# KiCad board misrc_v2.5-rounded.kicad_pcb
title: MISRC; date: 2025-10-23; rev: 2.5
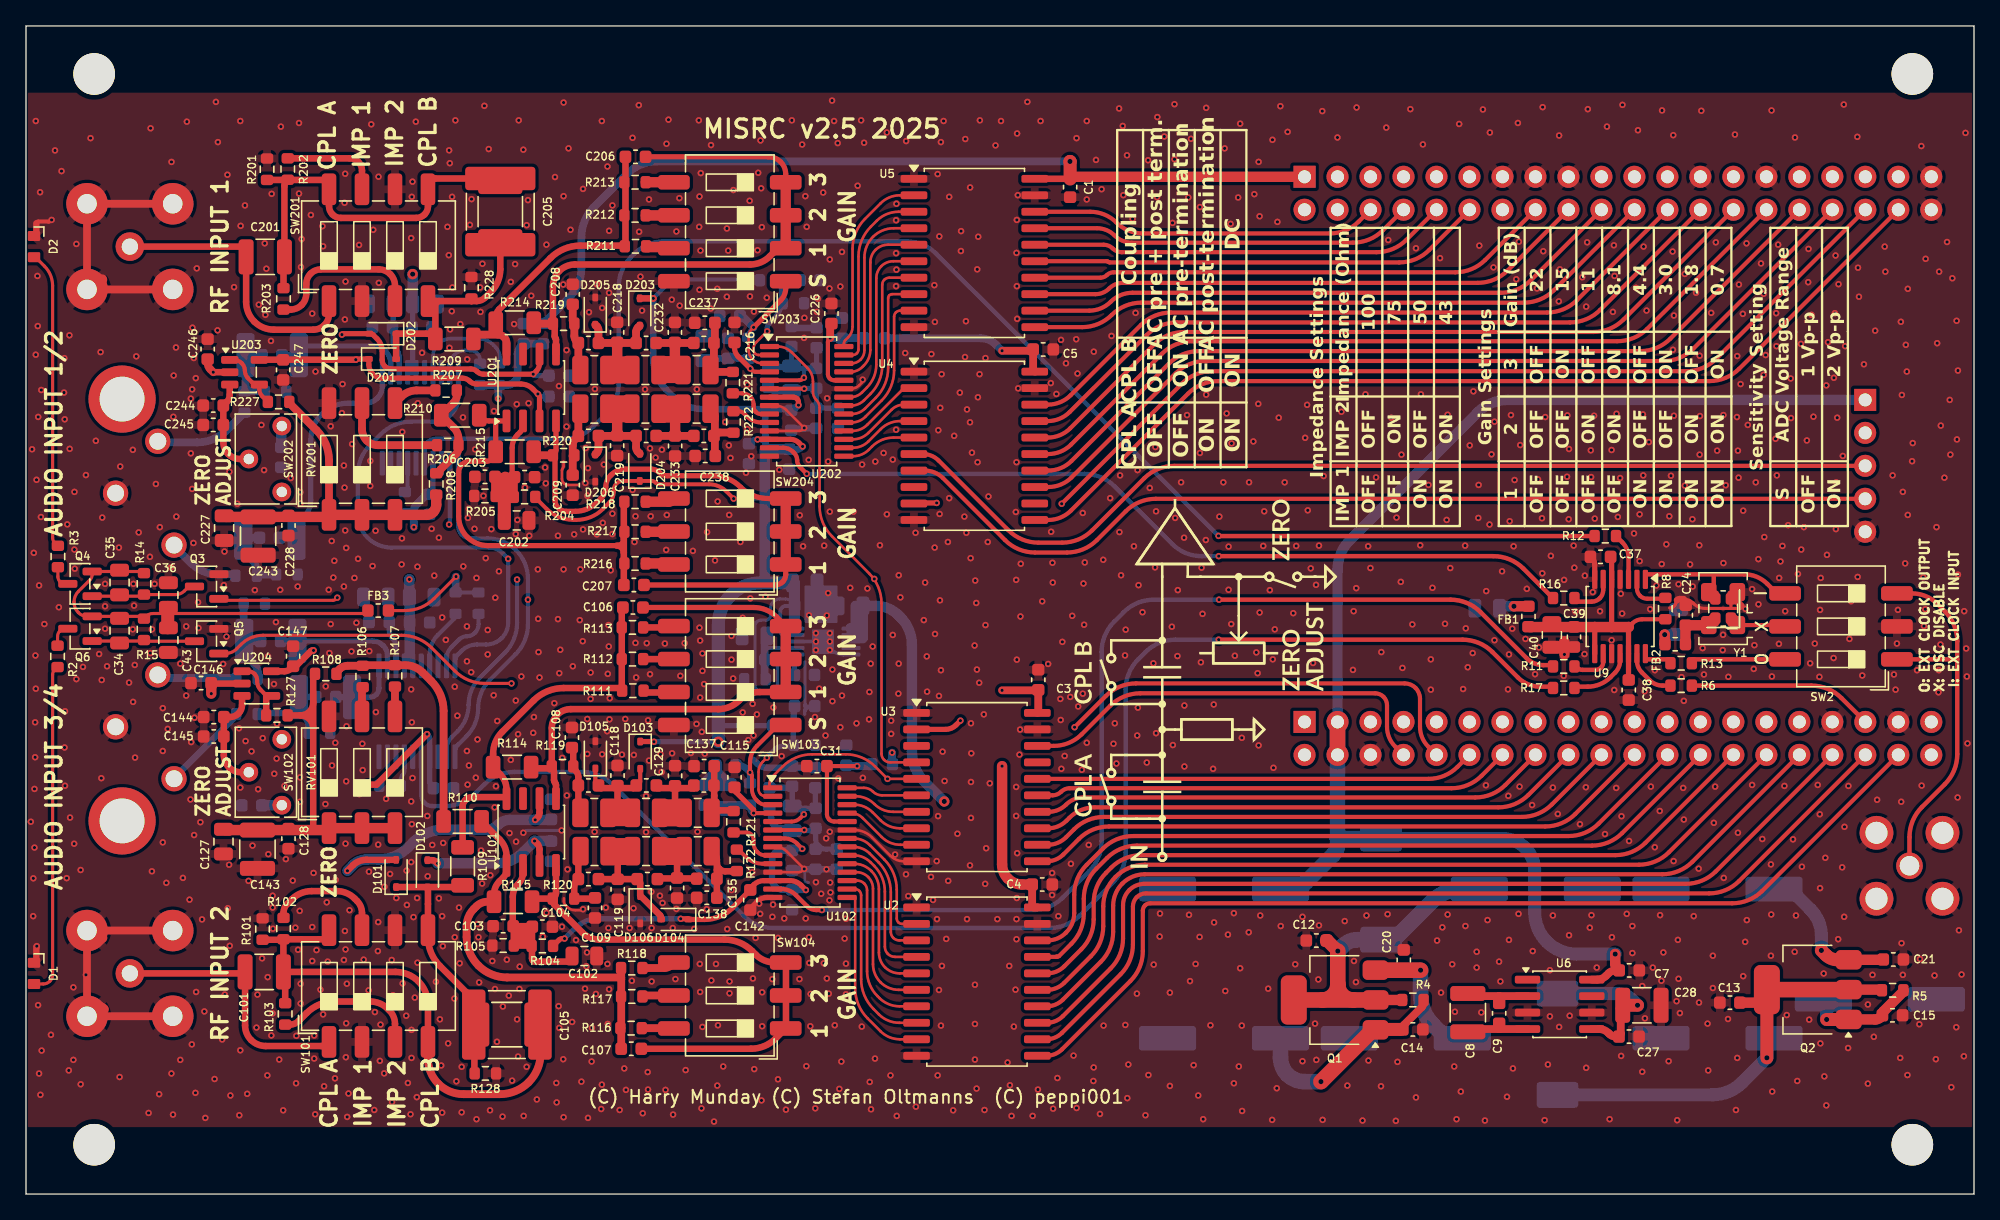
[diagram p0: board, top side]
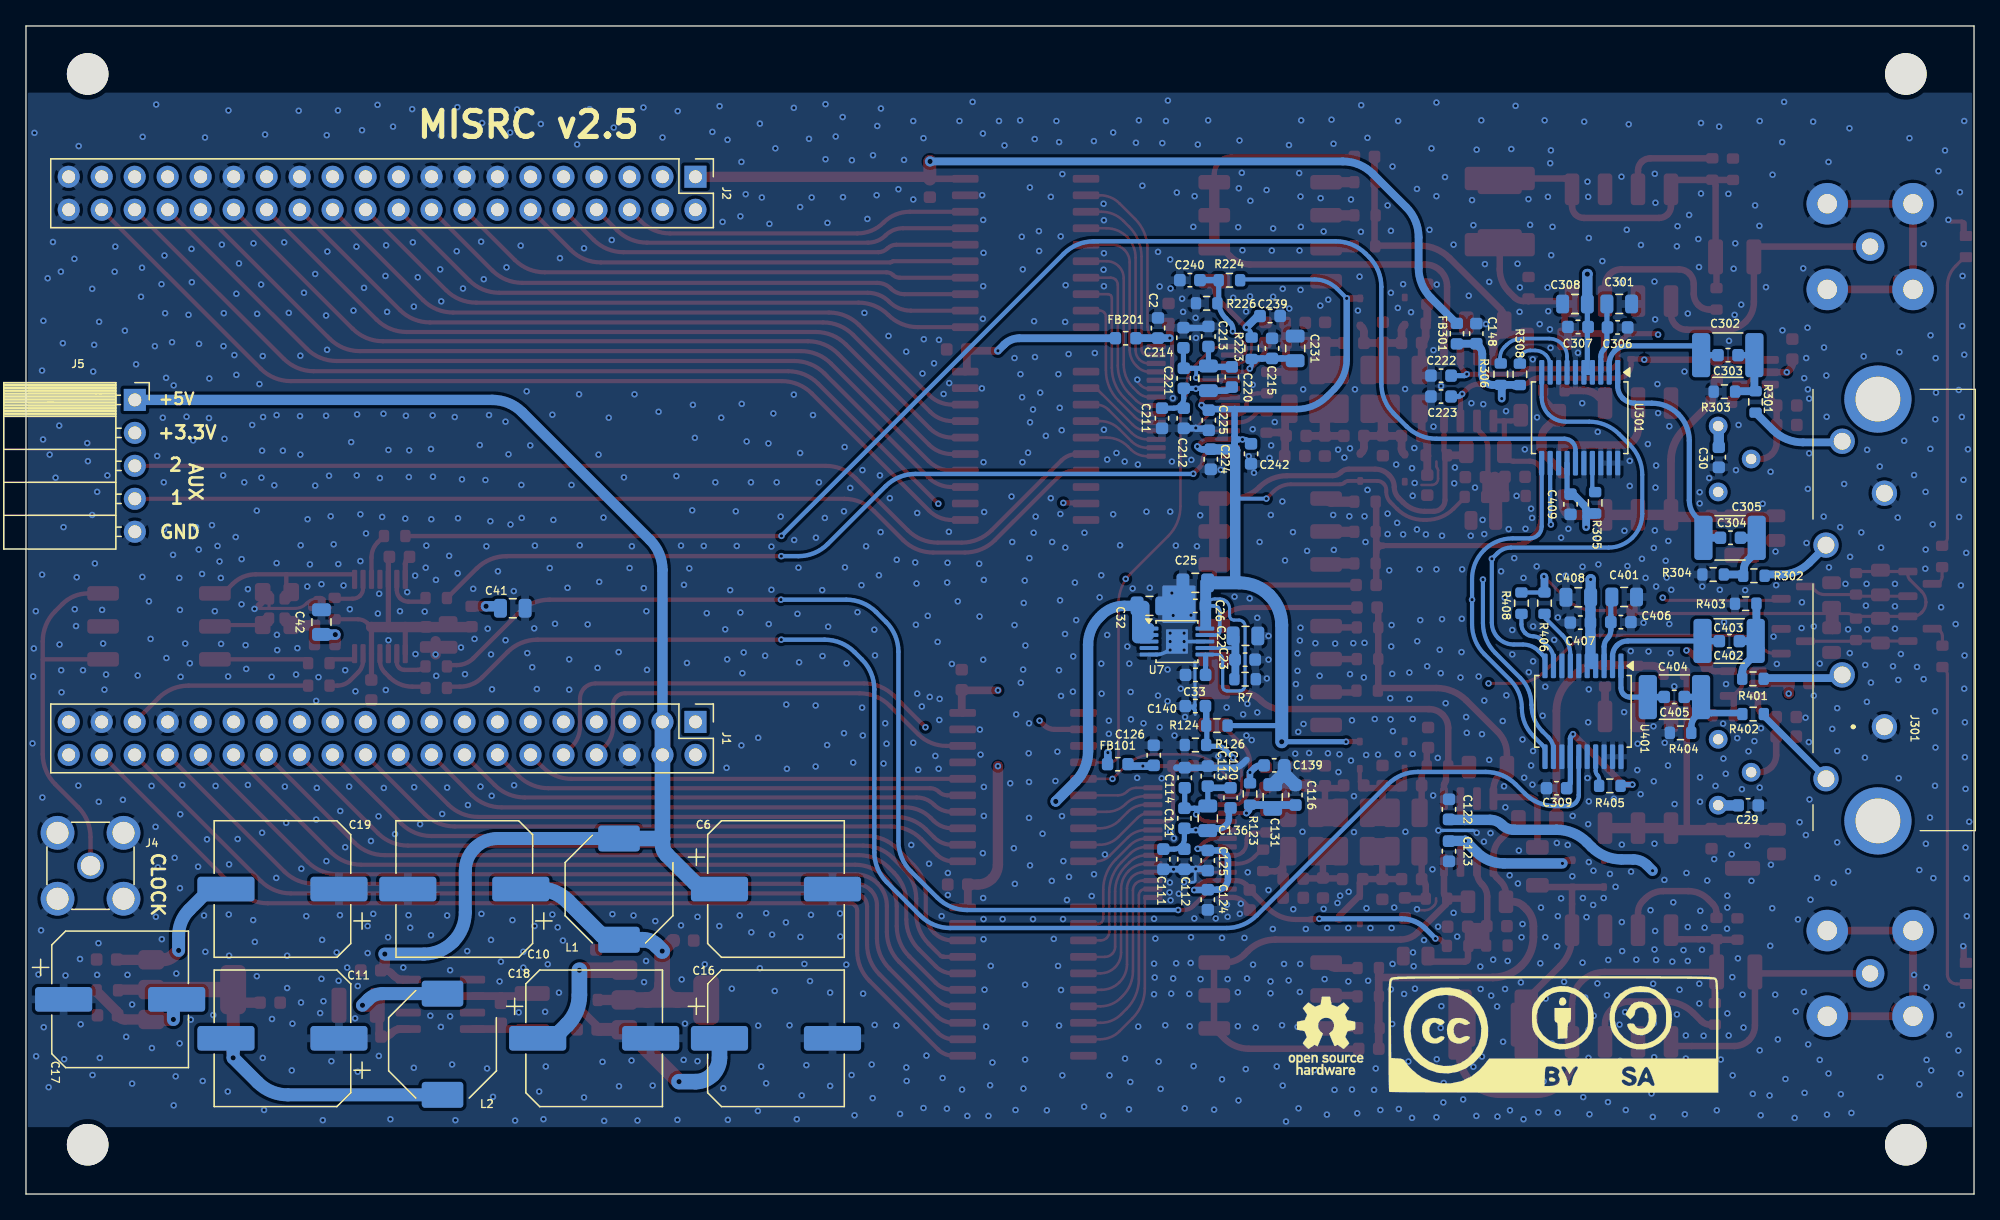
[diagram p1: board, bottom side, seen from below]

Outline 150 x 90 mm; copper layers: Top, In1.Cu, In2.Cu, Bottom. Coordinates in mm from the lower left corner of the outline.
Outline path: 0,90 0,0 150,0 150,90 0,90
Stack: Top 0.035mm / dielectric 0.1mm FR4 er 4.5 / In1.Cu 0.035mm / dielectric 1.24mm FR4 er 4.5 / In2.Cu 0.035mm / dielectric 0.1mm FR4 er 4.5 / Bottom 0.035mm

## Placement (name value [footprint] x y rotation side)
C1  1µ  [C_0603_1608Metric]  80.4 77.58 270 top
C2  1µ  [C_0603_1608Metric]  62.83 66.73 90 bottom
C3  1µ  [C_0603_1608Metric]  77.95 39.62 90 top
C4  1µ  [C_0603_1608Metric]  78.25 23.85 0 top
C5  1µ  [C_0603_1608Metric]  78.33 65.07 0 top
C6  1000µ  [CP_Elec_10x12.6]  92.25 23.5 180 bottom
C7  1µ  [C_0603_1608Metric]  123.45 17.23 0 top
C8  47µ  [C_1210_3225Metric]  111.02 13.98 270 top
C9  100n  [C_0603_1608Metric]  113.44 13.93 270 top
C10  1000µ  [CP_Elec_10x12.6]  116.25 23.5 0 bottom
C11  1000µ  [CP_Elec_10x12.6]  130.25 12 0 bottom
C12  1µ  [C_0603_1608Metric]  99.36 19.53 180 top
C13  1µ  [C_0603_1608Metric]  131.2 14.75 180 top
C14  100n  [C_0603_1608Metric]  106.79 12.68 0 top
C15  100n  [C_0603_1608Metric]  143.72 13.77 0 top
C16  1000µ  [CP_Elec_10x12.6]  92.25 12 180 bottom
C17  1000µ  [CP_Elec_10x12.6]  142.75 15 180 bottom
C18  1000µ  [CP_Elec_10x12.6]  106.25 12 180 bottom
C19  1000µ  [CP_Elec_10x12.6]  130.25 23.5 0 bottom
C20  1µ  [C_0603_1608Metric]  106.09 18.04 90 top
C21  1µ  [C_0603_1608Metric]  143.78 18.07 0 top
C22  10µ  [C_0805_2012Metric]  56.1 43 0 bottom
C23  1n/1  [C_0603_1608Metric]  56.13 41.17 0 bottom
C24  1µ  [C_0603_1608Metric]  127.8 44.6 90 top
C25  10µ  [C_0805_2012Metric]  59.96 47.09 0 bottom
C26  100n  [C_0603_1608Metric]  59.96 45.32 0 bottom
C27  1n/1  [C_0603_1608Metric]  123.44 12.13 180 top
C28  47µ  [C_1210_3225Metric]  124.43 14.54 180 top
C29  1µ  [C_0603_1608Metric]  17.39 29.95 180 bottom
C30  1µ  [C_0603_1608Metric]  19.65 56.77 270 bottom
C31  1µ  [C_0603_1608Metric]  60.9 32.97 180 top
C32  10µ  [C_0805_2012Metric]  63.49 45.32 0 bottom
C33  1n/1  [C_0603_1608Metric]  59.94 40 180 bottom
C34  10µ  [C_0805_2012Metric]  7.21 43.41 270 top
C35  10µ  [C_0805_2012Metric]  7.21 47.12 270 top
C36  10µ  [C_0805_2012Metric]  10.97 46.15 90 top
C37  100n  [C_0603_1608Metric]  121.24 49.1 180 top
C38  100n  [C_0603_1608Metric]  123.41 38.84 270 top
C39  100n  [C_0603_1608Metric]  119.2 42.93 270 top
C40  10µ  [C_0805_2012Metric]  117.49 43.08 270 top
C41  10µ  [C_0805_2012Metric]  112.52 45.14 180 bottom
C42  10µ  [C_0805_2012Metric]  127.25 44.07 90 bottom
C43  10µ  [C_0805_2012Metric]  10.97 42.68 270 top
C101  100µ  [C_1210_3225Metric]  18.35 17.11 0 top
C102  10µ  [C_0805_2012Metric]  43 18.34 0 top
C103  100n  [C_0603_1608Metric]  36.74 20.64 180 top
C104  1n/1  [C_0603_1608Metric]  39.76 20.6 0 top
C105  470n/1  [C_2220_5750Metric]  37.03 13.06 180 top  (not fitted)
C106  1p  [C_0603_1608Metric]  46.74 45.19 0 top  (not fitted)
C107  1p  [C_0603_1608Metric]  46.61 11.19 0 top  (not fitted)
C108  240pF/1  [C_0603_1608Metric]  42.04 35.17 270 top
C109  240pF/1  [C_0603_1608Metric]  43.81 22.05 270 top
C110  15pF/1  [C_0603_1608Metric]  43.31 31.48 0 top
C111  1n/1  [C_0603_1608Metric]  62.42 25.8 90 bottom
C112  100n  [C_0603_1608Metric]  60.8 25.8 90 bottom
C113  100n  [C_0603_1608Metric]  59 32.2 270 bottom
C114  1n/1  [C_0603_1608Metric]  60.78 32.08 270 bottom
C115  100n  [C_0603_1608Metric]  54.56 32.11 90 top
C116  1n/1  [C_0603_1608Metric]  52.25 30.75 90 bottom
C117  15pF/1  [C_0603_1608Metric]  43.31 24.26 0 top
C118  390pF/1  [C_0603_1608Metric]  45.55 32.24 270 top
C119  390pF/1  [C_0603_1608Metric]  45.56 23.48 90 top
C120  100n  [C_0603_1608Metric]  57.25 30.53 90 bottom
C121  1n/1  [C_0603_1608Metric]  60.8 28.95 90 bottom
C122  100n  [C_0603_1608Metric]  40.43 29.64 270 bottom
C123  100n  [C_0603_1608Metric]  40.43 26.42 270 bottom
C124  100n  [C_0603_1608Metric]  59 22.67 270 bottom
C125  100n  [C_0603_1608Metric]  59 25.7 270 bottom
C126  100n  [C_0603_1608Metric]  63.16 33.81 90 bottom
C127  10µ  [C_0805_2012Metric]  15.21 27.15 270 top
C128  1n/1  [C_0603_1608Metric]  20.21 27.38 270 top
C129  68pF/1  [C_0603_1608Metric]  47.77 31.48 0 top
C130  68pF/1  [C_0603_1608Metric]  47.85 24.27 0 top
C131  10µ  [C_0805_2012Metric]  54 30.59 90 bottom
C132  360pF/1  [C_0603_1608Metric]  49.98 32.22 270 top
C133  360pF/1  [C_0603_1608Metric]  50.13 23.58 90 top
C134  51pF/1  [C_0603_1608Metric]  52.2 31.48 0 top
C135  51pF/1  [C_0603_1608Metric]  52.42 24.3 0 top
C136  10µ  [C_0805_2012Metric]  59 28.95 90 bottom
C137  200pF/1  [C_0603_1608Metric]  52.22 32.97 0 top
C138  200pF/1  [C_0603_1608Metric]  52.42 22.83 0 top
C139  100n  [C_0603_1608Metric]  53.89 33.03 180 bottom
C140  100n  [C_0603_1608Metric]  59.96 37.6 0 bottom
C141  940n/1  [C_1812_4532Metric]  37.03 13.06 180 top
C142  100n  [C_0603_1608Metric]  55.77 22.66 270 top
C143  100µ  [C_1210_3225Metric]  17.82 26.57 90 top
C144  1n/1  [C_0603_1608Metric]  14.46 36.75 180 top
C145  1µ  [C_0603_1608Metric]  14.46 35.25 180 top
C146  100n  [C_0603_1608Metric]  13.48 39.37 0 top
C147  100n  [C_0603_1608Metric]  20.57 41.44 90 top
C148  1µ  [C_0603_1608Metric]  38.32 66.29 90 bottom
C201  100µ  [C_1210_3225Metric]  18.43 72.21 0 top
C202  10µ  [C_0805_2012Metric]  37.78 51.9 0 top
C203  100n  [C_0603_1608Metric]  35.34 55.26 180 top
C204  1n/1  [C_0603_1608Metric]  38.39 55.23 0 top
C205  470n/1  [C_2220_5750Metric]  36.52 75.7 270 top  (not fitted)
C206  1p  [C_0603_1608Metric]  46.94 79.92 0 top  (not fitted)
C207  1p  [C_0603_1608Metric]  46.81 46.93 0 top  (not fitted)
C208  240pF/1  [C_0603_1608Metric]  42.1 69.32 270 top
C209  240pF/1  [C_0603_1608Metric]  42.1 54.62 270 top
C210  15pF/1  [C_0603_1608Metric]  43.31 65.57 0 top
C211  1n/1  [C_0603_1608Metric]  62.53 59.78 90 bottom
C212  100n  [C_0603_1608Metric]  60.85 59.78 90 bottom
C213  100n  [C_0603_1608Metric]  58.95 66.08 270 bottom
C214  1n/1  [C_0603_1608Metric]  60.88 65.97 270 bottom
C215  100n  [C_0603_1608Metric]  54.05 65.16 90 bottom
C216  1n/1  [C_0603_1608Metric]  54.56 66.39 90 top
C217  15pF/1  [C_0603_1608Metric]  43.31 58.41 0 top
C218  390pF/1  [C_0603_1608Metric]  45.52 66.39 270 top
C219  390pF/1  [C_0603_1608Metric]  45.52 57.66 90 top
C220  100n  [C_0603_1608Metric]  57.15 62.95 90 bottom
C221  1n/1  [C_0603_1608Metric]  60.85 62.85 90 bottom
C222  100n  [C_0603_1608Metric]  41.04 63.06 180 bottom
C223  100n  [C_0603_1608Metric]  41.04 61.45 0 bottom
C224  100n  [C_0603_1608Metric]  58.77 56.62 270 bottom
C225  100n  [C_0603_1608Metric]  58.92 59.62 270 bottom
C226  100n  [C_0603_1608Metric]  62.02 67.84 90 top
C227  10µ  [C_0805_2012Metric]  15.26 51.31 270 top
C228  1n/1  [C_0603_1608Metric]  20.21 51.51 270 top
C229  68pF/1  [C_0603_1608Metric]  47.75 65.57 0 top
C230  68pF/1  [C_0603_1608Metric]  47.75 58.41 0 top
C231  10µ  [C_0805_2012Metric]  52.27 65.16 90 bottom
C232  360pF/1  [C_0603_1608Metric]  49.97 66.39 270 top
C233  360pF/1  [C_0603_1608Metric]  49.98 57.64 90 top
C234  51pF/1  [C_0603_1608Metric]  52.2 65.57 0 top
C235  51pF/1  [C_0603_1608Metric]  52.2 58.41 0 top
C236  10µ  [C_0805_2012Metric]  58.95 62.85 90 bottom
C237  200pF/1  [C_0603_1608Metric]  52.27 67.13 0 top
C238  200pF/1  [C_0603_1608Metric]  52.3 56.87 0 top
C239  100n  [C_0603_1608Metric]  54.2 67.65 180 bottom
C240  100n  [C_0603_1608Metric]  60.38 70.41 0 bottom
C241  940n/1  [C_1812_4532Metric]  36.52 75.7 270 top
C242  100n  [C_0603_1608Metric]  55.67 57.03 270 bottom
C243  100µ  [C_1210_3225Metric]  17.88 50.7 90 top
C244  1n/1  [C_0603_1608Metric]  14.42 60.76 180 top
C245  1µ  [C_0603_1608Metric]  14.42 59.26 180 top
C246  100n  [C_0603_1608Metric]  13.99 65.1 270 top
C247  100n  [C_0603_1608Metric]  19.81 63.5 270 top
C301  10µ  [C_0805_2012Metric]  27.32 68.58 180 bottom
C302  940n/1  [C_1812_4532Metric]  18.96 64.63 0 bottom
C303  1µ  [C_0603_1608Metric]  18.94 64.64 0 bottom  (not fitted)
C304  1µ  [C_0603_1608Metric]  18.75 50.57 0 bottom  (not fitted)
C305  940n/1  [C_1812_4532Metric]  18.78 50.56 0 bottom
C306  100n  [C_0603_1608Metric]  27.45 66.77 180 bottom
C307  100n  [C_0603_1608Metric]  30.49 66.81 0 bottom
C308  10µ  [C_0805_2012Metric]  30.73 68.58 0 bottom
C309  100n  [C_0603_1608Metric]  32.14 31.27 180 bottom
C401  10µ  [C_0805_2012Metric]  26.94 46 180 bottom
C402  940n/1  [C_1812_4532Metric]  18.86 42.61 0 bottom
C403  1µ  [C_0603_1608Metric]  18.84 42.6 0 bottom  (not fitted)
C404  1µ  [C_0603_1608Metric]  23.08 38.3 0 bottom  (not fitted)
C405  940n/1  [C_1812_4532Metric]  23.07 38.29 0 bottom
C406  100n  [C_0603_1608Metric]  27.19 44.07 180 bottom
C407  100n  [C_0603_1608Metric]  30.31 44.03 0 bottom
C408  10µ  [C_0805_2012Metric]  30.47 45.98 0 bottom
C409  100n  [C_0603_1608Metric]  31.07 53.14 90 bottom
D1  LED  [LED_XL1606]  0.62 17 270 top
D2  LED  [LED_XL1606]  0.62 73 270 top
D101  BAT54  [D_SOD-323]  28.5 24.7 90 top
D102  BAT54  [D_SOD-323]  30.91 24.67 270 top
D103  BAT54  [D_SOD-323]  47.3 33.81 270 top
D104  BAT54  [D_SOD-323]  49.96 21.15 180 top
D105  BAT54  [D_SOD-323]  43.84 33.84 90 top
D106  BAT54  [D_SOD-323]  47.29 21.91 270 top
D201  BAT54  [D_SOD-323]  27.45 64.34 0 top
D202  BAT54  [D_SOD-323]  27.48 66.29 180 top
D203  BAT54  [D_SOD-323]  47.26 67.96 270 top
D204  BAT54  [D_SOD-323]  47.26 55.99 90 top
D205  BAT54  [D_SOD-323]  43.83 68.03 90 top
D206  BAT54  [D_SOD-323]  43.83 55.94 270 top
FB1  1k@100MHz,280@10MHz  [L_0603_1608Metric]  115.69 44.5 270 top
FB2  1k@100MHz,280@10MHz  [L_0603_1608Metric]  126.99 42.37 0 top
FB3  1k@100MHz,280@10MHz  [L_0603_1608Metric]  27.12 44.96 180 top
FB101  1k@100MHz,280@10MHz  [L_0603_1608Metric]  65.93 33.12 180 bottom
FB201  1k@100MHz,280@10MHz  [L_0603_1608Metric]  65.32 65.94 180 bottom
FB301  1k@100MHz,280@10MHz  [L_0603_1608Metric]  39.82 66.29 270 bottom
H1  MountingHole  [MountingHole_3.2mm_M3]  5.25 86.3 0 top  (not fitted)
H2  MountingHole  [MountingHole_3.2mm_M3]  5.25 3.8 0 top  (not fitted)
H3  MountingHole  [MountingHole_3.2mm_M3]  145.25 3.8 0 top  (not fitted)
H4  MountingHole  [MountingHole_3.2mm_M3]  145.25 86.3 0 top  (not fitted)
H5  MISRC-Gain_Settings  [misrc_settings]  98.47 51.47 90 top  (not fitted)
H6  -  [CC Licence]  32.39 12.3 180 bottom  (not fitted)
H7  OSHW Logo  [OSHW-Logo_5.7x6mm_SilkScreen]  49.9 12.19 180 bottom  (not fitted)
H8  MISRC-Input_Circuit  [misrc_input_circuit]  90.85 39.34 90 top  (not fitted)
H9  MISRC-Settings-Cpl  [misrc_settings_cpl]  84.02 56 90 top  (not fitted)
H10  MountingHole  [case]  -56.75 144.5 0 top
H11  MountingHole  [case]  0 144.5 0 top
H12  MountingHole  [case]  150 144.5 0 top
H13  MountingHole  [case]  -56.75 144.5 0 top
H14  MountingHole  [case]  95.56 67.38 0 top
J1  GPIFII_J6  [PinHeader_2x20_P2.54mm_Vertical]  98.45 36.38 270 bottom
J2  GPIFII_J7  [PinHeader_2x20_P2.54mm_Vertical]  98.45 78.38 270 bottom
J4  Conn_01x01_Shielded  [SMA_Amphenol_901-144_Vertical2]  145.03 25.29 0 bottom
J5  Conn_01x05_Socket  [PinSocket_1x05_P2.54mm_Horizontal]  141.62 61.19 180 bottom
J101  BNC_Rosenberger  [BNC_Right_Angle-DOSIN-801-0050_5pin]  8 17 0 bottom
J201  BNC_Rosenberger  [BNC_Right_Angle-DOSIN-801-0050_5pin]  8 73 0 bottom
J301  KLP42X-61-WW_RR  [KLP42X61WWRR]  6.9 36 90 bottom
L1  100µ  [L_Bourns-SRU8043_2]  104.34 23.49 270 bottom
L2  100µ  [L_Bourns-SRU8043_2]  117.93 11.54 270 bottom
L101  620nF  [L_1008_2520Metric]  43.76 29.37 0 top
L102  620nF  [L_1008_2520Metric]  43.78 26.42 180 top
L103  560nF  [L_1008_2520Metric]  47.74 29.37 0 top
L104  560nF  [L_1008_2520Metric]  47.75 26.42 180 top
L105  560nF  [L_1008_2520Metric]  51.72 29.37 0 top
L106  560nF  [L_1008_2520Metric]  51.72 26.42 180 top
L201  620nF  [L_1008_2520Metric]  43.76 63.49 0 top
L202  620nF  [L_1008_2520Metric]  43.76 60.51 180 top
L203  560nF  [L_1008_2520Metric]  47.7 63.49 0 top
L204  560nF  [L_1008_2520Metric]  47.7 60.51 180 top
L205  560nF  [L_1008_2520Metric]  51.64 63.49 0 top
L206  560nF  [L_1008_2520Metric]  51.64 60.51 180 top
Q1  FZT690B  [SOT-223-3_TabPin2]  100.77 14.95 180 top
Q2  FZT790A  [SOT-223-3_TabPin2]  137.2 15.75 180 top
Q3  AO3400A  [SOT-23]  13.91 46.81 180 top
Q4  AO3401A  [SOT-23]  4.16 47.01 180 top
Q5  AO3400A  [SOT-23]  13.91 42.6 180 top
Q6  AO3401A  [SOT-23]  4.16 43.56 180 top
R2  100  [R_0603_1608Metric]  2.43 41.43 270 top
R3  100  [R_0603_1608Metric]  2.46 49.12 90 top
R4  470  [R_0603_1608Metric]  106.79 14.95 0 top
R5  470  [R_0603_1608Metric]  143.73 15.7 0 top
R6  10  [R_0603_1608Metric]  127.45 39.17 0 top
R7  30kB  [R_0603_1608Metric]  56.13 39.67 0 bottom
R8  470  [R_0603_1608Metric]  126.23 45.11 270 top
R11  10  [R_0603_1608Metric]  118.41 40.65 0 top
R12  10  [R_0603_1608Metric]  121.61 50.7 180 top
R13  10  [R_0603_1608Metric]  127.45 40.9 0 top
R14  30k  [R_0603_1608Metric]  9.09 47.01 270 top
R15  30k  [R_0603_1608Metric]  9.09 43.51 270 top
R16  10  [R_0603_1608Metric]  118.41 45.92 180 top
R17  10  [R_0603_1608Metric]  118.41 38.99 180 top
R101  100B  [R_0603_1608Metric]  18.22 20.42 270 top
R102  100B  [R_0603_1608Metric]  19.83 20.45 270 top
R103  300B  [R_0603_1608Metric]  19.96 13.88 90 top
R104  1kB  [R_0603_1608Metric]  39.76 19.12 0 top
R105  1kB  [R_0603_1608Metric]  36.74 19.15 0 top
R106  49R9B  [R_0603_1608Metric]  25.93 39.88 270 top
R107  150B  [R_0603_1608Metric]  28.41 39.92 270 top
R108  49R9B  [R_0603_1608Metric]  23.08 40.08 180 top
R109  499B  [R_1206_3216Metric]  33.62 25.25 90 top
R110  499B  [R_1206_3216Metric]  33.62 28.71 0 top
R111  1kB  [R_0603_1608Metric]  46.73 38.79 0 top
R112  2k49B  [R_0603_1608Metric]  46.7 41.22 0 top
R113  4k99B  [R_0603_1608Metric]  46.7 43.66 0 top
R114  6k65B  [R_1206_3216Metric]  37.43 32.89 0 top
R115  6k65B  [R_1206_3216Metric]  37.5 22.52 0 top
R116  1kB  [R_0603_1608Metric]  46.6 12.78 0 top
R117  2k49B  [R_0603_1608Metric]  46.65 15.22 0 top
R118  4k99B  [R_0603_1608Metric]  46.65 17.41 0 top
R119  47B  [R_0603_1608Metric]  41.31 32.96 0 top
R120  47B  [R_0603_1608Metric]  41.39 22.76 0 top
R121  47B  [R_0603_1608Metric]  54.48 28.68 270 top
R122  47B  [R_0603_1608Metric]  54.74 25.71 90 top
R123  10k  [R_0603_1608Metric]  55.75 30.82 90 bottom
R124  10k  [R_0603_1608Metric]  58.3 36.09 0 bottom
R126  6k8  [R_0603_1608Metric]  59.95 34.6 180 bottom
R127  10  [R_0603_1608Metric]  19.32 36.88 180 top
R128  10k  [R_0603_1608Metric]  35.38 9.3 0 top
R201  100B  [R_0603_1608Metric]  18.56 78.96 270 top
R202  100B  [R_0603_1608Metric]  20.16 78.97 270 top
R203  300B  [R_0603_1608Metric]  19.83 68.97 90 top
R204  1kB  [R_0603_1608Metric]  38.39 53.71 0 top
R205  1kB  [R_0603_1608Metric]  35.34 53.79 0 top
R206  49R9B  [R_0603_1608Metric]  32.48 57.7 180 top
R207  150B  [R_0603_1608Metric]  32.35 61.92 180 top
R208  49R9B  [R_0603_1608Metric]  31.59 54.71 270 top
R209  499B  [R_1206_3216Metric]  32.98 65.88 0 top
R210  499B  [R_1206_3216Metric]  33.44 60.01 0 top
R211  1kB  [R_0603_1608Metric]  46.93 73.02 0 top
R212  2k49B  [R_0603_1608Metric]  46.9 75.41 0 top
R213  4k99B  [R_0603_1608Metric]  46.9 77.96 0 top
R214  6k65B  [R_1206_3216Metric]  37.64 67.13 0 top
R215  6k65B  [R_1206_3216Metric]  37.63 57.19 0 top
R216  1kB  [R_0603_1608Metric]  46.9 48.58 0 top
R217  2k49B  [R_0603_1608Metric]  46.9 51.03 0 top
R218  4k99B  [R_0603_1608Metric]  46.9 53.34 0 top
R219  47B  [R_0603_1608Metric]  41.4 67.06 0 top
R220  47B  [R_0603_1608Metric]  41.4 56.92 0 top
R221  47B  [R_0603_1608Metric]  54.42 62.52 270 top
R222  47B  [R_0603_1608Metric]  54.48 59.49 90 top
R223  10k  [R_0603_1608Metric]  55.62 65.17 90 bottom
R224  10k  [R_0603_1608Metric]  57.33 70.41 0 bottom
R226  6k8  [R_0603_1608Metric]  59.09 68.63 180 bottom
R227  10  [R_0603_1608Metric]  19.45 61.04 180 top
R228  10k  [R_0603_1608Metric]  34.3 69.83 90 top
R301  10k  [R_0603_1608Metric]  16.82 61.03 90 bottom
R302  10k  [R_0603_1608Metric]  16.95 47.64 0 bottom
R303  47k  [R_0603_1608Metric]  19.22 61.82 180 bottom
R304  47k  [R_0603_1608Metric]  20.09 47.73 180 bottom
R305  470  [R_0603_1608Metric]  29.17 53.26 90 bottom
R306  470  [R_0603_1608Metric]  36.44 63.17 90 bottom
R308  470  [R_0603_1608Metric]  34.97 63.16 90 bottom
R401  10k  [R_0603_1608Metric]  17.02 39.7 0 bottom
R402  10k  [R_0603_1608Metric]  17.01 36.98 0 bottom
R403  47k  [R_0603_1608Metric]  17.58 45.49 180 bottom
R404  47k  [R_0603_1608Metric]  22.6 35.53 180 bottom
R405  470  [R_0603_1608Metric]  28.04 31.45 0 bottom
R406  470  [R_0603_1608Metric]  33.08 45.53 270 bottom
R408  470  [R_0603_1608Metric]  34.85 45.52 270 bottom
RV101  10k  [Potentiometer_Bourns_3266W_Vertical]  19.7 29.96 270 top
RV201  10k  [Potentiometer_Bourns_3266W_Vertical]  19.7 54.09 270 top
SW2  SW_DIP_x03  [SW_DIP_SPSTx03_Slide_6.7x9.18mm_W8.61mm_P2.54mm_LowProfile]  139.76 43.74 180 top
SW101  SW_DIP_x04  [SW_DIP_SPSTx04_Slide_6.7x11.72mm_W8.61mm_P2.54mm_LowProfile]  27.14 16.03 90 top
SW102  SW_DIP_x03  [SW_DIP_SPSTx03_Slide_6.7x9.18mm_W8.61mm_P2.54mm_LowProfile]  25.87 32.5 90 top
SW103  SW_DIP_x04  [SW_DIP_SPSTx04_Slide_6.7x11.72mm_W8.61mm_P2.54mm_LowProfile]  54.19 39.95 180 top
SW104  SW_DIP_x03  [SW_DIP_SPSTx03_Slide_6.7x9.18mm_W8.61mm_P2.54mm_LowProfile]  54.19 15.3 180 top
SW201  SW_DIP_x04  [SW_DIP_SPSTx04_Slide_6.7x11.72mm_W8.61mm_P2.54mm_LowProfile]  27.14 73.11 90 top
SW202  SW_DIP_x03  [SW_DIP_SPSTx03_Slide_6.7x9.18mm_W8.61mm_P2.54mm_LowProfile]  25.87 56.64 90 top
SW203  SW_DIP_x04  [SW_DIP_SPSTx04_Slide_6.7x11.72mm_W8.61mm_P2.54mm_LowProfile]  54.19 74.14 180 top
SW204  SW_DIP_x03  [SW_DIP_SPSTx03_Slide_6.7x9.18mm_W8.61mm_P2.54mm_LowProfile]  54.19 51.05 180 top
U2  74VHC541  [SOIC-20W_7.5x12.8mm_P1.27mm]  73.22 16.37 0 top
U3  74VHC541  [SOIC-20W_7.5x12.8mm_P1.27mm]  73.22 31.36 0 top
U4  74VHC541  [SOIC-20W_7.5x12.8mm_P1.27mm]  73.03 57.65 0 top
U5  74VHC541  [SOIC-20W_7.5x12.8mm_P1.27mm]  73.03 72.51 0 top
U6  LM2662  [SOIC-8_3.9x4.9mm_P1.27mm]  118.09 14.62 0 top
U7  LT3042xMSE  [MSOP-10-1EP_3x3mm_P0.5mm_EP1.68x1.88mm]  61.38 42.57 180 bottom
U9  LMK1C1106  [TSSOP-14_4.4x5mm_P0.65mm]  122.75 44.5 270 top
U101  AD8138ARZ  [SO-8_3.9x4.9mm_P1.27mm]  38.91 27.89 90 top
U102  AD9235  [TSSOP-28_4.4x9.7mm_P0.65mm]  60.37 27.08 0 top
U201  AD8138ARZ  [SO-8_3.9x4.9mm_P1.27mm]  38.91 62.14 90 top
U202  AD9235  [TSSOP-28_4.4x9.7mm_P0.65mm]  60.11 61.08 0 top
U203  ADA4004-1  [SOT-23-5]  16.83 63.32 0 top
U204  ADA4004-1  [SOT-23-5]  17.77 39.33 0 top
U301  PCM1802DBR  [SSOP-20_5.3x7.2mm_P0.65mm]  30.36 59.81 270 bottom
U401  PCM1802DBR  [SSOP-20_5.3x7.2mm_P0.65mm]  30.11 37.19 270 bottom
Y1  ECS-TXO-2520-33-400-AN-TR  [Oscillator_SMD_ECS_2520MV-xxx-xx-4Pin_2.5x2.0mm]  130.68 45.11 180 top
Y2  ~  [Oscillator_SMD_SiT_PQFN-4Pin_2.0x1.6mm]  130.68 45.11 90 top  (not fitted)
Y3  ~  [Oscillator_SMD_EuroQuartz_XO53-4Pin_5.0x3.2mm]  130.68 45.11 90 top  (not fitted)
